# Altium PCB old PT1000_16CH.PCBDOC (part 1 of 5) (continued)
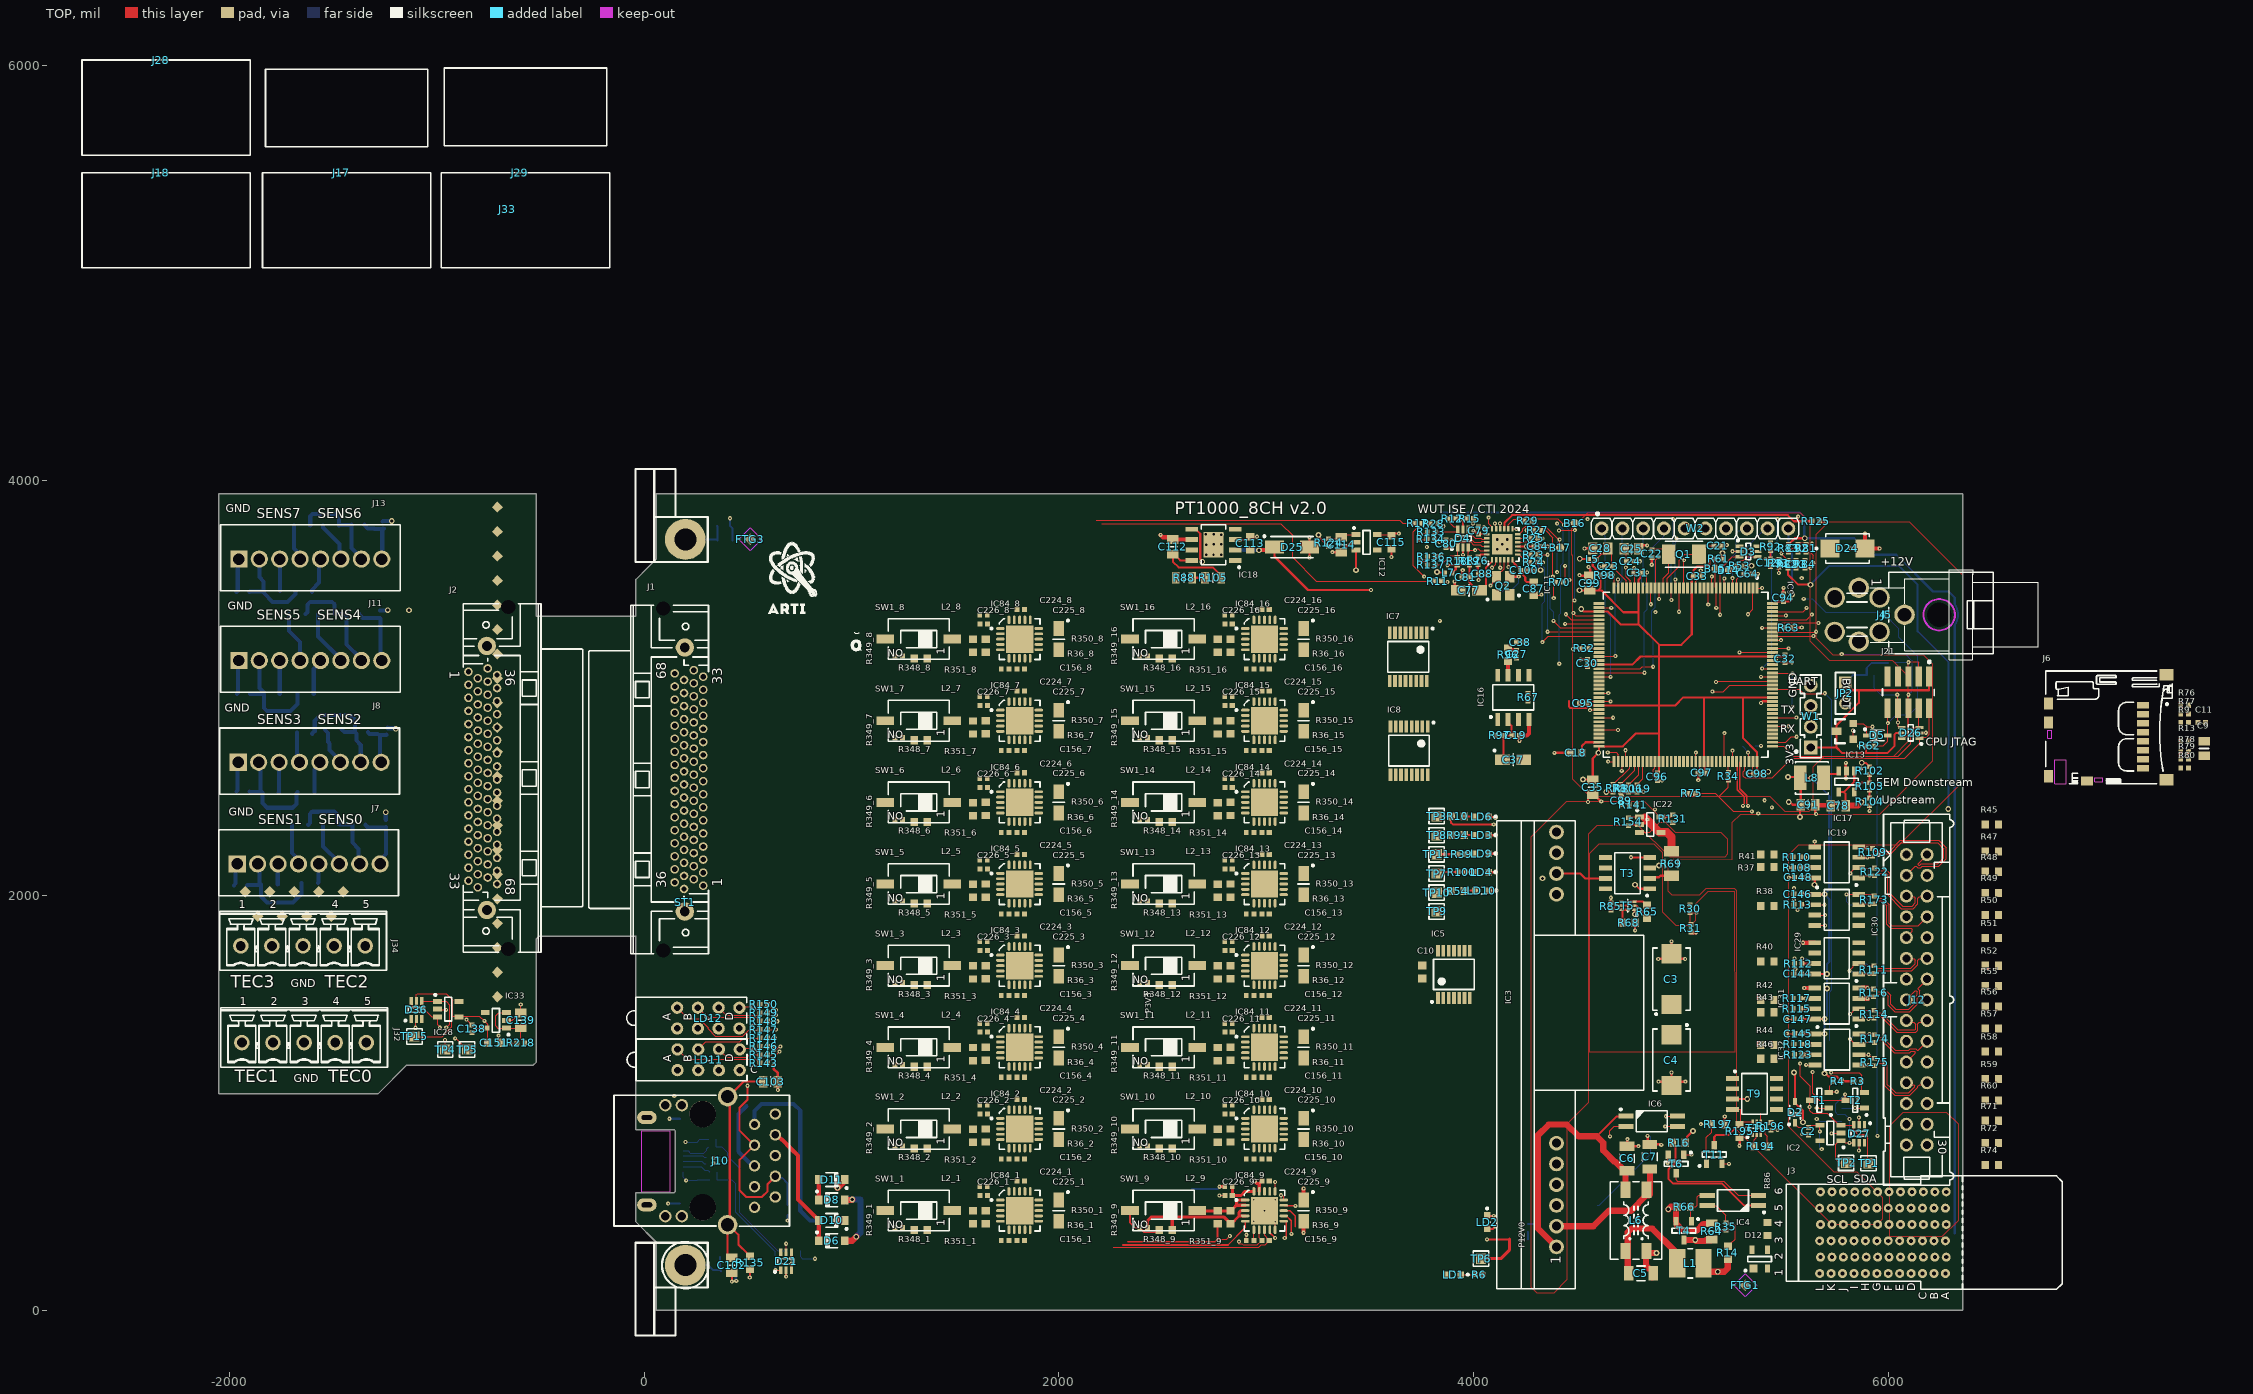
[diagram p0: TOP view]
## Design rules (kind name [scope] priority, off if disabled: settings) (continued)
SupplyNets "Schematic Supply Nets_1" [InNet('P3V3_AFE')] p12: voltage=0.000
SupplyNets "Schematic Supply Nets" [InNet('P5V0A')] p13: voltage=0.000
ViasUnderSMD ViasUnderSMD_QFN [HasFootprint('TSSOP28-EP')  or InComponent('IC11') or InComponent('IC18')  or InComponent('IC15') or InComponent('S1') or InComponent('S2') or InComponent('S3') or InComponent('S4')] p1: allowed=TRUE
ViasUnderSMD [All] p2: allowed=FALSE
Width Width_HPOW [InNetClass('HPOW')] p1: maxlimit=157.48 minlimit=10 preferedwidth=19.68
Width [All] p2: maxlimit=50 minlimit=5 preferedwidth=5
18 further rules are at their usual default settings.

## Classes and differential pairs
net class PWR: P12V0
component class RTD_15: C156_16 C224_16 C225_16 C226_16 IC84_16 L2_16 R36_16 R348_16 R349_16 R350_16 R351_16 SW1_16
component class RTD_14: C156_15 C224_15 C225_15 C226_15 IC84_15 L2_15 R36_15 R348_15 R349_15 R350_15 R351_15 SW1_15
component class RTD_13: C156_14 C224_14 C225_14 C226_14 IC84_14 L2_14 R36_14 R348_14 R349_14 R350_14 R351_14 SW1_14
component class RTD_12: C156_13 C224_13 C225_13 C226_13 IC84_13 L2_13 R36_13 R348_13 R349_13 R350_13 R351_13 SW1_13
component class RTD_11: C156_12 C224_12 C225_12 C226_12 IC84_12 L2_12 R36_12 R348_12 R349_12 R350_12 R351_12 SW1_12
component class RTD_10: C156_11 C224_11 C225_11 C226_11 IC84_11 L2_11 R36_11 R348_11 R349_11 R350_11 R351_11 SW1_11
component class RTD_09: C156_10 C224_10 C225_10 C226_10 IC84_10 L2_10 R36_10 R348_10 R349_10 R350_10 R351_10 SW1_10
component class RTD_08: C156_9 C224_9 C225_9 C226_9 IC84_9 L2_9 R36_9 R348_9 R349_9 R350_9 R351_9 SW1_9
component class RTD_07: C156_8 C224_8 C225_8 C226_8 IC84_8 L2_8 R36_8 R348_8 R349_8 R350_8 R351_8 SW1_8
component class RTD_06: C156_7 C224_7 C225_7 C226_7 IC84_7 L2_7 R36_7 R348_7 R349_7 R350_7 R351_7 SW1_7
component class RTD_05: C156_6 C224_6 C225_6 C226_6 IC84_6 L2_6 R36_6 R348_6 R349_6 R350_6 R351_6 SW1_6
component class RTD_04: C156_5 C224_5 C225_5 C226_5 IC84_5 L2_5 R36_5 R348_5 R349_5 R350_5 R351_5 SW1_5
channel class RTD: RTD_00 RTD_01 RTD_02 RTD_03 RTD_04 RTD_05 RTD_06 RTD_07 RTD_08 RTD_09 RTD_10 RTD_11 RTD_12 RTD_13 RTD_14 RTD_15
component class RTD_03: C156_4 C224_4 C225_4 C226_4 IC84_4 L2_4 R36_4 R348_4 R349_4 R350_4 R351_4 SW1_4
component class RTD_02: C156_3 C224_3 C225_3 C226_3 IC84_3 L2_3 R36_3 R348_3 R349_3 R350_3 R351_3 SW1_3
component class RTD_01: C156_2 C224_2 C225_2 C226_2 IC84_2 L2_2 R36_2 R348_2 R349_2 R350_2 R351_2 SW1_2
component class RTD_00: C156_1 C224_1 C225_1 C226_1 IC84_1 L2_1 R36_1 R348_1 R349_1 R350_1 R351_1 SW1_1
net class HPOW: NetC5_1 NetC5_2 NetC6_2 NetC7_2 P3V3 P12V0 P12V0_IN P12V0_POE POE_VC+ POE_VC-
component class U_Breakout: C128 C129 C130 C131 C138 C139 C151 D36 IC28 IC33 J2 J7 J8 J11 J13 J17 J18 J28 J29 J31 J32 J33 J34 L10 L11 L12 L13 R155 R156 R157 R158 R159 R160 R161 R162 R163 R164 R165 R166 R167 R168 R169 R170 R171 R172 R176 R177 R178 R179 R180 R181 R218 TP4 TP5 TP15
component class EEM_connector: C10 C144 C145 C146 C147 C148 D12 D27 IC5 IC19 IC23 IC29 IC30 IC31 IC32 IC36 IC39 IC40 IC41 J3 J12 R45 R47 R48 R49 R50 R51 R52 R55 R56 R57 R58 R59 R60 R71 R72 R74 R86 R108 R109 R110 R111 R112 R113 R114 R115 R116 R117 R118 R122 R123 R173 R174 R175 R194 R195 R196 R197 T9 T10 T11
component class Thermostat_16CH: C1 C2 C160 C161 D3 FTG1 FTG2 FTG3 FTG4 IC1 IC2 IC7 IC8 J1 LD1 R1 R2 R3 R4 R5 R6 R37 R38 R40 R41 R42 R43 R44 R46 R220 R223 SCREW5 SCREW6 SCREW7 SCREW8 ST1 Standoff1 Standoff2 Standoff4 T1 T2 TP1 TP2 TP3
net class HV: NetC5_1 NetC5_2 NetC6_2 NetC7_2 NetIC3_3 NetIC4_3 NetIC4_4 POE_IN1 POE_IN2 POE_IN3 POE_IN4 POE_VC+ POE_VC-
component class USB: C108 C109 D21 FB1 FB2 J9 L9 R73 R75
component class U_STM32_F4CPU: B14 B15 C9 C11 C17 C18 C21 C22 C23 C24 C25 C28 C29 C30 C31 C32 C33 C35 C64 C92 C93 C94 C95 C96 C97 C98 C99 C126 D5 D26 IC9 IC13 J6 J21 JP2 L5 LD11 LD12 Q1 R7 R8 R9 R13 R32 R33 R34 R53 R61 R62 R63 R70 R76 R77 R78 R79 R80 R81 R82 R83 R84 R92 R93 R106 R119 R143 R144 R145 R146 R147 R148 R149 R150 W1 W2
component class RMII_Ethernet: B16 B17 C36 C65 C77 C79 C80 C81 C84 C85 C87 C88 C100 C102 C103 D4 D6 D7 D8 D9 D10 D11 D22 D23 IC11 J10 L7 Q2 R11 R12 R15 R17 R18 R19 R20 R21 R22 R23 R24 R25 R26 R27 R28 R29 R98 R99 R125 R133 R134 R135 R136 R137
component class U_Thermostat_Supply: C3 C4 C5 C6 C7 C19 C27 C37 C38 C78 C89 C91 C112 C113 C114 C115 D2 D24 D25 IC3 IC4 IC6 IC12 IC16 IC17 IC18 IC22 J4 J5 L1 L6 L8 LD2 LD3 LD4 LD6 LD9 LD10 R10 R14 R16 R30 R31 R35 R39 R54 R64 R65 R66 R67 R68 R69 R85 R88 R90 R94 R96 R97 R100 R102 R103 R104 R105 R124 R131 R141 R154 T3 T4 T5 T6 TP6 TP7 TP8 TP9 TP10 TP11
differential pair LVDS7: +LVDS7_P -LVDS7_N
differential pair LVDS6: +LVDS6_P -LVDS6_N
differential pair LVDS5: +LVDS5_P -LVDS5_N
differential pair LVDS4: +LVDS4_P -LVDS4_N
differential pair LVDS3: +LVDS3_P -LVDS3_N
differential pair LVDS2: +LVDS2_P -LVDS2_N
differential pair LVDS1: +LVDS1_P -LVDS1_N
differential pair LVDS0: +LVDS0_P -LVDS0_N
differential pair BP_IO.LVDS7: +BP_IO.LVDS_P7 -BP_IO.LVDS_N7
differential pair BP_IO.LVDS6: +BP_IO.LVDS_P6 -BP_IO.LVDS_N6
differential pair BP_IO.LVDS5: +BP_IO.LVDS_P5 -BP_IO.LVDS_N5
differential pair BP_IO.LVDS4: +BP_IO.LVDS_P4 -BP_IO.LVDS_N4
differential pair BP_IO.LVDS3: +BP_IO.LVDS_P3 -BP_IO.LVDS_N3
differential pair BP_IO.LVDS2: +BP_IO.LVDS_P2 -BP_IO.LVDS_N2
differential pair TD: +TD_P -TD_N
differential pair RD: +RD_P -RD_N
differential pair USB: +USB_P -USB_N
differential pair USBJ: +USBJ_P -USBJ_N
differential pair PHY_TD: +PHY_TD_P -PHY_TD_N
differential pair PHY_RD: +PHY_RD_P -PHY_RD_N

## Components (designator, comment, footprint, x,y, rotation, side; value= is the part's Value field where it differs from the comment)
B14 "SMD Pad" C100 5230.93,3568.29 r90 top
B15 "SMD Pad" C100 5166.61,3576.24 r90 top
B16 "SMD Pad" C100 4487.75,3795.81 r0 top
B17 "SMD Pad" C100 4418,3677 r0 top
C1 "100nF" CAPC1005X55N 3759.26,3082.42 r90 bottom
C2 "100nF" CAPC1005X55N 5615.89,863.87 r90 top
C3 "220uF" CAPMP7343X430N 4954.72,1596.79 r90 top
C4 "220uF" CAPMP7343X430N 4954.72,1206.37 r270 top
C5 "4.7nF" CAPC3216X140N 4807.15,178 r180 top
C6 "4.7nF" CAPC3216X140N 4740.16,732.28 r270 top
C7 "4.7nF" CAPC3216X140N 4850.39,740.16 r270 top
C9 "22uF" CAPC2012X135N 7523.62,2708.66 r90 top
C10 "100nF" CAPC1608X87N 3752.95,1630.95 r90 top
C11 "100nF" CAPC1005X55N 7511.81,2834.65 r0 top
C17 "2.2uF" CAPC1608X90N 5325.56,2721.2 r180 bottom
C18 "2.2uF" CAPC1608X90N 4492.61,2687.74 r0 top
C19 "100nF" CAPC1005X55N 4203.74,2771.65 r0 top
C21 "12pF" CAPC1005X55N 5176.57,3686.21 r0 top
C22 "12pF" CAPC1005X55N 4859.66,3647.91 r270 top
C23 "10nF" CAPC1005X55N 4649.48,3586.61 r180 top
C24 "10nF" CAPC1005X55N 4756.13,3611.49 r0 top
C25 "1uF" CAPC2012X110N 4761.85,3671.71 r180 top
C27 "10nF" CAPC1005X55N 4207.68,3163.39 r270 top
C28 "1uF" CAPC2012X110N 4611.1,3673.27 r0 top
C29 "100nF" CAPC1005X55N 6015.47,3121.94 r0 bottom
C30 "100nF" CAPC1005X55N 4549.32,3120.81 r90 top
C31 "100nF" CAPC1005X55N 4792.43,3555.12 r180 top
C32 "100nF" CAPC1005X55N 5503.06,3142.46 r270 top
C33 "100nF" CAPC1005X55N 5078.16,3539.83 r0 top
C35 "10uF" CAPC2012X135N 4575.09,2521.65 r270 top
C36 "18pF" CAPC1005X55N 4138.57,3532.48 r180 bottom
C37 "10uF" CAPMP3216X180N 4190.94,2654.53 r0 top
C38 "100nF" CAPC1005X55N 4224.4,3221.74 r180 top
C64 "100nF" CAPC1005X55N 5322.94,3550.68 r0 top
C65 "18pF" CAPC1005X55N 4157.06,3464.78 r180 bottom
C77 "10uF" CAPMP3216X180N 3978.14,3471.46 r180 top
C78 "10uF" CAPC2012X135N 5758.72,2433.2 r0 top
C79 "100nF" CAPC1005X55N 4024.4,3759.81 r90 top
C80 "100nF" CAPC1005X55N 3868.17,3695.79 r270 top
C81 "100nF" CAPC1005X55N 3962.39,3535.43 r0 top
C84 "100nF" CAPC1005X55N 4308.65,3683.07 r180 top
C85 "100nF" CAPC1005X55N 692.02,477.23 r90 bottom
C87 "1uF" CAPC1608X87N 4290.15,3479.33 r90 top
C88 "100nF" CAPC1005X55N 4042.11,3550.2 r0 top
C89 "10nF" CAPC1005X55N 4713,2456.51 r90 top
C91 "10uF" CAPC2012X135N 5613.47,2437.49 r0 top
C92 "100nF" CAPC1005X55N 5565.52,3674.57 r90 top
C93 "100nF" CAPC1005X55N 5555.78,3597.18 r270 top
C94 "100nF" CAPC1005X55N 5494.21,3435.77 r90 top
C95 "100nF" CAPC1005X55N 4528.81,2926.81 r180 top
C96 "100nF" CAPC1005X55N 4886.24,2573.17 r270 top
C97 "100nF" CAPC1005X55N 5101.49,2591.28 r180 top
C98 "100nF" CAPC1005X55N 5367.24,2586.94 r180 top
C99 "10uF" CAPC2012X135N 4560.15,3506.63 r90 top
C100 "1nF" CAPC1005X55N 4245.85,3567.91 r180 top
C102 "Undefined" CAPC2012X135N 423.4,217 r270 top
C103 "Undefined" CAPC2012X135N 610.24,1102.36 r0 top
C108 "100nF" CAPC1005X55N 334.06,628.94 r0 bottom
C109 "100nF" CAPC1005X55N 329.63,825 r0 bottom
C112 "10uF" CAPC2012X135N 2549.21,3681.1 r90 top
C113 "1uF" CAPC1608X87N 2923.23,3698.22 r270 top
C114 "10uF" CAPC2012X135N 3362.44,3691.27 r270 top
C115 "1uF" CAPC1608X87N 3604.43,3703.08 r90 top
C126 "100nF" CAPC1005X55N 5433.07,3604.33 r270 top
C128 "100nF" CAPC1005X55N -1245,2347 r270 bottom
C129 "100nF" CAPC1005X55N -1236,2791 r270 bottom
C130 "100nF" CAPC1005X55N -1273,3356 r270 bottom
C131 "100nF" CAPC1005X55N -1260,3786 r270 bottom
C138 "100nF" CAPC1005X55N -830.55,1357.28 r270 top
C139 "10uF" CAPC2012X135N -594.33,1397.64 r90 top
C144 "100nF" CAPC1005X55N 5563.45,1621.79 r0 top
C145 "100nF" CAPC1005X55N 5566.75,1333.65 r0 top
C146 "100nF" CAPC1005X55N 5563.46,2006.6 r0 top
C147 "100nF" CAPC1005X55N 5563.46,1403.79 r0 top
C148 "100nF" CAPC1005X55N 5565.42,2087.61 r0 top
C151 "1uF" CAPC1608X87N -722.28,1289.37 r180 top
C156_1 "100nF" CAPC1005X55N 1816.14,335.83 r0 top (schematic designator C156)
C156_2 "100nF" CAPC1005X55N 1816.14,729.53 r0 top (schematic designator C156)
C156_3 "100nF" CAPC1005X55N 1816.14,1516.93 r0 top (schematic designator C156)
C156_4 "100nF" CAPC1005X55N 1816.14,1123.23 r0 top (schematic designator C156)
C156_5 "100nF" CAPC1005X55N 1816.14,1910.63 r0 top (schematic designator C156)
C156_6 "100nF" CAPC1005X55N 1816.14,2304.33 r0 top (schematic designator C156)
C156_7 "100nF" CAPC1005X55N 1816.14,2698.03 r0 top (schematic designator C156)
C156_8 "100nF" CAPC1005X55N 1816.14,3091.73 r0 top (schematic designator C156)
C156_9 "100nF" CAPC1005X55N 2997.24,335.83 r0 top (schematic designator C156)
C156_10 "100nF" CAPC1005X55N 2997.24,729.53 r0 top (schematic designator C156)
C156_11 "100nF" CAPC1005X55N 2997.24,1123.23 r0 top (schematic designator C156)
C156_12 "100nF" CAPC1005X55N 2997.24,1516.93 r0 top (schematic designator C156)
C156_13 "100nF" CAPC1005X55N 2997.24,1910.63 r0 top (schematic designator C156)
C156_14 "100nF" CAPC1005X55N 2997.24,2304.33 r0 top (schematic designator C156)
C156_15 "100nF" CAPC1005X55N 2997.24,2698.03 r0 top (schematic designator C156)
C156_16 "100nF" CAPC1005X55N 2997.24,3091.73 r0 top (schematic designator C156)
C160 "Undefined" CAPC2012X135N 390.75,3713.06 r0 bottom
C161 "Undefined" CAPC2012X135N 407.06,187.01 r0 bottom
C224_1 "100nF" CAPC1005X55N 1816.14,623.23 r0 top (schematic designator C224)
C224_2 "100nF" CAPC1005X55N 1816.14,1016.93 r0 top (schematic designator C224)
C224_3 "100nF" CAPC1005X55N 1816.14,1804.33 r0 top (schematic designator C224)
C224_4 "100nF" CAPC1005X55N 1816.14,1410.63 r0 top (schematic designator C224)
C224_5 "100nF" CAPC1005X55N 1816.14,2198.03 r0 top (schematic designator C224)
C224_6 "100nF" CAPC1005X55N 1816.14,2591.73 r0 top (schematic designator C224)
C224_7 "100nF" CAPC1005X55N 1816.14,2985.43 r0 top (schematic designator C224)
C224_8 "100nF" CAPC1005X55N 1816.14,3379.13 r0 top (schematic designator C224)
C224_9 "100nF" CAPC1005X55N 2997.24,623.23 r0 top (schematic designator C224)
C224_10 "100nF" CAPC1005X55N 2997.24,1016.93 r0 top (schematic designator C224)
C224_11 "100nF" CAPC1005X55N 2997.24,1410.63 r0 top (schematic designator C224)
C224_12 "100nF" CAPC1005X55N 2997.24,1804.33 r0 top (schematic designator C224)
C224_13 "100nF" CAPC1005X55N 2997.24,2198.03 r0 top (schematic designator C224)
C224_14 "100nF" CAPC1005X55N 2997.24,2591.73 r0 top (schematic designator C224)
C224_15 "100nF" CAPC1005X55N 2997.24,2985.43 r0 top (schematic designator C224)
C224_16 "100nF" CAPC1005X55N 2997.24,3379.13 r0 top (schematic designator C224)
C225_1 "10uF" CAPMP3216X180N 2000,480.31 r270 top (schematic designator C225)
C225_2 "10uF" CAPMP3216X180N 2000,874.02 r270 top (schematic designator C225)
C225_3 "10uF" CAPMP3216X180N 2000,1661.42 r270 top (schematic designator C225)
C225_4 "10uF" CAPMP3216X180N 2000,1267.72 r270 top (schematic designator C225)
C225_5 "10uF" CAPMP3216X180N 2000,2055.12 r270 top (schematic designator C225)
C225_6 "10uF" CAPMP3216X180N 2000,2448.82 r270 top (schematic designator C225)
C225_7 "10uF" CAPMP3216X180N 2000,2842.52 r270 top (schematic designator C225)
C225_8 "10uF" CAPMP3216X180N 2000,3236.22 r270 top (schematic designator C225)
C225_9 "10uF" CAPMP3216X180N 3181.1,480.31 r270 top (schematic designator C225)
C225_10 "10uF" CAPMP3216X180N 3181.1,874.02 r270 top (schematic designator C225)
C225_11 "10uF" CAPMP3216X180N 3181.1,1267.72 r270 top (schematic designator C225)
C225_12 "10uF" CAPMP3216X180N 3181.1,1661.42 r270 top (schematic designator C225)
C225_13 "10uF" CAPMP3216X180N 3181.1,2055.12 r270 top (schematic designator C225)
C225_14 "10uF" CAPMP3216X180N 3181.1,2448.82 r270 top (schematic designator C225)
C225_15 "10uF" CAPMP3216X180N 3181.1,2842.52 r270 top (schematic designator C225)
C225_16 "10uF" CAPMP3216X180N 3181.1,3236.22 r270 top (schematic designator C225)
C226_1 "100nF" CAPC1005X55N 1637.8,553.15 r0 top (schematic designator C226)
C226_2 "100nF" CAPC1005X55N 1637.8,946.85 r0 top (schematic designator C226)
C226_3 "100nF" CAPC1005X55N 1637.8,1734.25 r0 top (schematic designator C226)
C226_4 "100nF" CAPC1005X55N 1637.8,1340.55 r0 top (schematic designator C226)
C226_5 "100nF" CAPC1005X55N 1637.8,2127.95 r0 top (schematic designator C226)
C226_6 "100nF" CAPC1005X55N 1637.8,2521.65 r0 top (schematic designator C226)
C226_7 "100nF" CAPC1005X55N 1637.8,2915.36 r0 top (schematic designator C226)
C226_8 "100nF" CAPC1005X55N 1637.8,3309.06 r0 top (schematic designator C226)
C226_9 "100nF" CAPC1005X55N 2818.9,553.15 r0 top (schematic designator C226)
C226_10 "100nF" CAPC1005X55N 2818.9,946.85 r0 top (schematic designator C226)
C226_11 "100nF" CAPC1005X55N 2818.9,1340.55 r0 top (schematic designator C226)
C226_12 "100nF" CAPC1005X55N 2818.9,1734.25 r0 top (schematic designator C226)
C226_13 "100nF" CAPC1005X55N 2818.9,2127.95 r0 top (schematic designator C226)
C226_14 "100nF" CAPC1005X55N 2818.9,2521.65 r0 top (schematic designator C226)
C226_15 "100nF" CAPC1005X55N 2818.9,2915.36 r0 top (schematic designator C226)
C226_16 "100nF" CAPC1005X55N 2818.9,3309.06 r0 top (schematic designator C226)
D2 "BAT165" SOD2512X110N 5551.18,955.31 r90 top
D3 "DRTR5V0U4S-7" SOT65P210X110-6N 5325.79,3658.46 r0 top
D4 "DRTR5V0U4S-7" SOT65P210X110-6N 3949.2,3721.65 r90 top
D5 "BAT165" SOD2512X110N 5947.11,2771.89 r0 top
D6 "PMEG6020ER" SODFL3517X110N 905.51,334.65 r0 top
D7 "PMEG6020ER" SODFL3517X110N 905.51,629.92 r180 bottom
D8 "PMEG6020ER" SODFL3517X110N 905.51,531.5 r0 top
D9 "PMEG6020ER" SODFL3517X110N 905.51,334.65 r0 bottom
D10 "PMEG6020ER" SODFL3517X110N 905.51,433.07 r180 top
D11 "PMEG6020ER" SODFL3517X110N 905.51,629.92 r180 top
D12 "PRTR5V0U2X" SOT190P230X110-4N 5379.88,246.06 r90 top
D21 "DRTR5V0U4S-7" SOT65P210X110-6N 685.04,236.22 r90 top
D22 "PMEG6020ER" SODFL3517X110N 905.51,433.07 r180 bottom
D23 "PMEG6020ER" SODFL3517X110N 905.51,531.5 r0 bottom
D24 "SMBJ15A" DIOM5336X265N 5803.15,3673.23 r0 top
D25 "1SMA5920BT3G" DIOM5226X220N 3125,3680.11 r0 top
D26 "DRTR5V0U4S-7" SOT65P210X110-6N 6107.89,2783.99 r180 top
D27 "DRTR5V0U4S-7" SOT65P210X110-6N 5859.72,850.48 r270 top
D36 "DRTR5V0U4S-7" SOT65P210X110-6N -1097.28,1447.83 r90 top
FB1 "220R@100MHz" INDC1005X55N 330.61,787.6 r180 bottom
FB2 "220R@100MHz" INDC1005X55N 334.06,666.34 r180 bottom
FTG1 "Use only in PCB" FIDUCIAL_TOP_S100-200 5310,120 r90 top
FTG2 "Use only in PCB" FIDUCIAL_TOP_S100-200 513,3720.39 r0 bottom
FTG3 "Use only in PCB" FIDUCIAL_TOP_S100-200 513,3717 r90 top
FTG4 "Use only in PCB" FIDUCIAL_TOP_S100-200 5310,120 r90 bottom
IC1 "LM75AIMM/NOPB" SOP65P490X109-8N 3920.58,3054.86 r180 bottom
IC2 "24AA02E48T-I/OT" SOT95P280X145-5N 5721.2,854.42 r180 top
IC3 "AG5300" SILVERTEL_AG5300 4400,1305.48 r90 top locked
IC4 "ACPL-217-500E" SOIC127P700X242-4N 5251.15,529 r180 top
IC5 "74HC4066PW" SOP65P640X110-14N 3905.53,1619.07 r90 top
IC6 "ACPL-217-500E" SOIC127P700X242-4N 4859.55,911.48 r0 top
IC7 "74HC138PW" SOP65P640X110-16N 3685.04,3150.73 r270 top
IC8 "74HC138PW" SOP65P640X110-16N 3688.98,2698.03 r270 top
IC9 "STM32H743ZIT6" FP-LQFP144-1A-MFG 5022.75,3063.72 r270 top
IC11 "LAN8742A-CZ-TR" QFN24_0R5_4X4 4138.57,3692.91 r90 top
IC12 "ADP150AUJZ-3.3-R7" SOT95P280X90-5N 3484.49,3703.08 r0 top
IC13 "STM809SWX6F" SOT-23 5830.26,2754.16 r90 top
IC16 "ADR433BRZ" SOIC127P600X175-8N 4191.8,2955.16 r90 top
IC17 "TLV62565DBVT" SOT95P280X145-5N 5798.69,2549.37 r270 top
IC18 "ADP7102ARDZ-5.0-R7" SOIC127P600X175-9N-R241X309 2746.06,3690.94 r180 top
IC19 "FIN1028MX" SOIC127P600X175-8N 5751.72,2159.29 r180 top
IC22 "LT6106CS5#TRMPBF" SOT95P280X145-5N 4852.36,2341.76 r0 top
IC23 "FIN1027AMX" SOIC127P600X175-8N 5751.72,2159.29 r0 bottom
IC28 "24AA02E48T-I/OT" SOT95P280X145-5N -943.74,1451.77 r0 top
IC29 "FIN1028MX" SOIC127P600X175-8N 5751.71,1696.79 r180 top
IC30 "FIN1027AMX" SOIC127P600X175-8N 5751.71,1930.38 r0 top
IC31 "FIN1028MX" SOIC127P600X175-8N 5751.71,1478.79 r180 top
IC32 "FIN1027AMX" SOIC127P600X175-8N 5752.95,1256.89 r0 top
IC33 "ADP150AUJZ-3.3-R7" SOT95P280X90-5N -714.41,1397.64 r180 top
IC36 "FIN1027AMX" SOIC127P600X175-8N 5751.71,1696.79 r0 bottom
IC39 "FIN1028MX" SOIC127P600X175-8N 5751.72,1930.37 r180 bottom
IC40 "FIN1027AMX" SOIC127P600X175-8N 5751.71,1478.79 r0 bottom
IC41 "FIN1028MX" SOIC127P600X175-8N 5752.95,1256.89 r180 bottom
IC84_1 "MAX31865ATP+" QFN65P500X500X80-21N-S335 1811.02,480.31 r0 top (schematic designator IC84)
IC84_2 "MAX31865ATP+" QFN65P500X500X80-21N-S335 1811.02,874.02 r0 top (schematic designator IC84)
IC84_3 "MAX31865ATP+" QFN65P500X500X80-21N-S335 1811.02,1661.42 r0 top (schematic designator IC84)
IC84_4 "MAX31865ATP+" QFN65P500X500X80-21N-S335 1811.02,1267.72 r0 top (schematic designator IC84)
IC84_5 "MAX31865ATP+" QFN65P500X500X80-21N-S335 1811.02,2055.12 r0 top (schematic designator IC84)
IC84_6 "MAX31865ATP+" QFN65P500X500X80-21N-S335 1811.02,2448.82 r0 top (schematic designator IC84)
IC84_7 "MAX31865ATP+" QFN65P500X500X80-21N-S335 1811.02,2842.52 r0 top (schematic designator IC84)
IC84_8 "MAX31865ATP+" QFN65P500X500X80-21N-S335 1811.02,3236.22 r0 top (schematic designator IC84)
IC84_9 "MAX31865ATP+" QFN65P500X500X80-21N-S335 2992.13,480.31 r0 top locked (schematic designator IC84)
IC84_10 "MAX31865ATP+" QFN65P500X500X80-21N-S335 2992.13,874.02 r0 top (schematic designator IC84)
IC84_11 "MAX31865ATP+" QFN65P500X500X80-21N-S335 2992.13,1267.72 r0 top (schematic designator IC84)
IC84_12 "MAX31865ATP+" QFN65P500X500X80-21N-S335 2992.13,1661.42 r0 top (schematic designator IC84)
IC84_13 "MAX31865ATP+" QFN65P500X500X80-21N-S335 2992.13,2055.12 r0 top (schematic designator IC84)
IC84_14 "MAX31865ATP+" QFN65P500X500X80-21N-S335 2992.13,2448.82 r0 top (schematic designator IC84)
IC84_15 "MAX31865ATP+" QFN65P500X500X80-21N-S335 2992.13,2842.52 r0 top (schematic designator IC84)
IC84_16 "MAX31865ATP+" QFN65P500X500X80-21N-S335 2992.13,3236.22 r0 top (schematic designator IC84)
J1 "DNP" MOLEX_71430-0013 216.54,2559.06 r90 top
J2 "DNP" MOLEX_71430-0013 -777.56,2566.73 r270 top
J3 "P1" AMPHENOL_10052825-101LF 5974.41,374.02 r90 top
J4 "Jack" SWITCHCRAFT_L712RA 5858.15,3223.81 r180 top
J5 "Mini-Fit Jr.™" MOLEX_39-30-0040 5850.03,3353.73 r270 top
J6 "microSD" MOLEX_502570-0893 7228.35,2765.75 r270 top
J7 "691382000008" 691382000008 -1617.06,2157.96 r0 top
J8 "691382000008" 691382000008 -1612.11,2648.15 r0 top
J9 "USB" UJ2-MIBH-4-MSMT 3.94,718.5 r270 bottom
J10 "RJ45" ABRACON_ARJM11C7-114-BA-EW2 283.04,720.87 r270 top locked
J11 "691382000008" 691382000008 -1609.16,3139.06 r0 top
J12 "" 3M_N2530-6002RB 6137.18,1496.79 r270 top locked
J13 "691382000008" 691382000008 -1609.11,3628.09 r0 top
J17 "691381000008" WURTH_691381000008 -1460.63,5484.25 r270 top
J18 "691381000008" WURTH_691381000008 -2330.71,5484.25 r270 top
J21 "Header 10" HARWIN_M50-3600542 6097,2979 r180 top
J28 "691381000008" WURTH_691381000008 -2330.71,6027.56 r270 top
J29 "691381000008" WURTH_691381000008 -598.43,5484.25 r270 top
J31 "" PHOENIX_1803604 -1346.56,6292.29 r270 top
J32 "" PHOENIX_1803455 -1639.24,1290.55 r0 top
J33 "" PHOENIX_1803604 -659.35,5308.04 r90 top
J34 "" PHOENIX_1803455 -1644.43,1756.67 r0 top
JP2 "1798942 (goldpin 2x 2.54)" jump 5792.58,3026.02 r0 top
L1 "10uH" IND_MURATA-PS_8400 5046.15,226 r180 top
L2_1 "220R@100MHz" INDC1005X55N 1637.19,596.37 r180 top (schematic designator L2)
L2_2 "220R@100MHz" INDC1005X55N 1637.19,990.07 r180 top (schematic designator L2)
L2_3 "220R@100MHz" INDC1005X55N 1637.19,1777.47 r180 top (schematic designator L2)
L2_4 "220R@100MHz" INDC1005X55N 1637.19,1383.77 r180 top (schematic designator L2)
L2_5 "220R@100MHz" INDC1005X55N 1637.19,2171.17 r180 top (schematic designator L2)
L2_6 "220R@100MHz" INDC1005X55N 1637.19,2564.87 r180 top (schematic designator L2)
L2_7 "220R@100MHz" INDC1005X55N 1637.19,2958.58 r180 top (schematic designator L2)
L2_8 "220R@100MHz" INDC1005X55N 1637.19,3352.28 r180 top (schematic designator L2)
L2_9 "220R@100MHz" INDC1005X55N 2818.29,596.37 r180 top (schematic designator L2)
L2_10 "220R@100MHz" INDC1005X55N 2818.29,990.07 r180 top (schematic designator L2)
L2_11 "220R@100MHz" INDC1005X55N 2818.29,1383.77 r180 top (schematic designator L2)
L2_12 "220R@100MHz" INDC1005X55N 2818.29,1777.47 r180 top (schematic designator L2)
L2_13 "220R@100MHz" INDC1005X55N 2818.29,2171.17 r180 top (schematic designator L2)
L2_14 "220R@100MHz" INDC1005X55N 2818.29,2564.87 r180 top (schematic designator L2)
L2_15 "220R@100MHz" INDC1005X55N 2818.29,2958.58 r180 top (schematic designator L2)
L2_16 "220R@100MHz" INDC1005X55N 2818.29,3352.28 r180 top (schematic designator L2)
L5 "220R@100MHz" INDC1005X55N 4572.94,3620.12 r180 top
L6 "2x1mH" IND_WURTH_WE-SL2 4783.46,433.07 r90 top
L7 "220R@100MHz" INDC1005X55N 3879.16,3555.12 r180 top
L8 "2.2uH" IND_MURATA_LQH44PN_P0 5631.32,2566.9 r180 top
L9 "90R@100MHz" IND_MURATA_DLW21S 333.66,721.35 r0 bottom
L10 "220R@100MHz" INDC1005X55N -1288,2345 r90 bottom
L11 "220R@100MHz" INDC1005X55N -1275,2790 r90 bottom
L12 "220R@100MHz" INDC1005X55N -1309,3356 r90 bottom
L13 "220R@100MHz" INDC1005X55N -1300,3786 r90 bottom
LD1 "Red" LED_KINGBRIGHT_KPH-1608SURCK 3905.23,171.4 r180 top
LD2 "Green" LED_KINGBRIGHT_KPH-1608CGCK 4065.82,424.32 r270 top
LD3 "Green" LED_KINGBRIGHT_KPH-1608CGCK 4039.9,2291.23 r180 top
LD4 "Green" LED_KINGBRIGHT_KPH-1608CGCK 4039.9,2112.43 r180 top
LD6 "Green" LED_KINGBRIGHT_KPH-1608CGCK 4039.9,2380.63 r180 top
LD9 "Green" LED_KINGBRIGHT_KPH-1608CGCK 4039.9,2201.83 r180 top
LD10 "Green" LED_KINGBRIGHT_KPH-1608CGCK 4039.9,2023.03 r180 top
LD11 "Green/Green/HeRed/HeRed" LED_BIVAR_H485CHHGGDL 311.39,1207.72 r0 top
LD12 "Green/Green/HeRed/HeRed" LED_BIVAR_H485CHHGGDL 309.84,1408.72 r0 top
Q1 "8MHz" XTAL_TXC_7A 5014.45,3645.05 r180 top
Q2 "25MHz" XTAL_EPSON_TSX-3225 4142.51,3494.09 r180 top
R1 "82k" RESC1608X55N 5704.47,943.51 r270 bottom
R2 "82k" RESC1608X55N 5776.32,943.5 r270 bottom
R3 "2k4" RESC1005X40N 5853.82,1103.94 r180 top
R4 "2k4" RESC1005X40N 5755.45,1103.94 r0 top
R5 "51k" RESC1005X40N 4093.81,3042.07 r180 bottom
R6 "1k" RESC1005X40N 4028.59,171.39 r0 top
R7 "2k2" RESC1005X40N 4673.23,2516.93 r270 top
R8 "2k2" RESC1005X40N 4708.66,2516.93 r270 top
R9 "10k" RESC1005X40N 7429.13,2834.65 r0 top
R10 "1k3" RESC1608X55N 3923.87,2380.93 r0 top
R11 "330" RESC1005X40N 3826.77,3515.75 r180 top
R12 "49R9" RESC1005X40N 3897.27,3817.34 r0 top
R13 "10k" RESC1005X40N 7429.13,2744.09 r0 top
R14 "82k" RESC1608X55N 5226.38,276.46 r270 top
R15 "49R9" RESC1005X40N 3981.72,3817 r180 top
R16 "220" RESC1608X55N 4989.51,807.17 r0 top
R17 "330" RESC1005X40N 3732.05,3794.24 r180 top
R18 "49R9" RESC1005X40N 3921.48,3611.22 r90 top
R19 "49R9" RESC1005X40N 3979.9,3611.22 r90 top
R20 "10k" RESC1005X40N 4290.38,3643.7 r180 bottom
R21 "10k" RESC1005X40N 4289.16,3605.32 r180 bottom
R22 "10k" RESC1005X40N 4307.67,3760.71 r180 bottom
R23 "33" RESC1005X40N 4290.38,3643.7 r180 top
R24 "33" RESC1005X40N 4290.15,3606.3 r180 top
R25 "10k" RESC1005X40N 4290.38,3722.44 r0 top
R26 "12k1" RESC1005X40N 4021.45,3613.19 r270 top
R27 "33" RESC1005X40N 4308.65,3760.71 r180 top
R28 "10k" RESC1005X40N 3809.36,3793.31 r0 top
R29 "33" RESC1005X40N 4261.74,3806.89 r180 top
R30 "33k" RESC1005X40N 5044.93,1935.55 r90 top
R31 "10k" RESC1005X40N 5048.57,1841.99 r90 top
R32 "10k" RESC1005X40N 4533.58,3191.67 r0 top
R33 "10k" RESC1005X40N 5914.63,3062.83 r180 bottom
R34 "10k" RESC1005X40N 5229.44,2574.74 r270 top
R35 "20k" RESC1005X40N 5216.54,403.54 r90 top
R36_1 "0" RESC1005X40N 1741.34,335.83 r0 top (schematic designator R36)
R36_2 "0" RESC1005X40N 1741.34,729.53 r0 top (schematic designator R36)
R36_3 "0" RESC1005X40N 1741.34,1516.93 r0 top (schematic designator R36)
R36_4 "0" RESC1005X40N 1741.34,1123.23 r0 top (schematic designator R36)
R36_5 "0" RESC1005X40N 1741.34,1910.63 r0 top (schematic designator R36)
R36_6 "0" RESC1005X40N 1741.34,2304.33 r0 top (schematic designator R36)
R36_7 "0" RESC1005X40N 1741.34,2698.03 r0 top (schematic designator R36)
R36_8 "0" RESC1005X40N 1741.34,3091.73 r0 top (schematic designator R36)
R36_9 "0" RESC1005X40N 2922.44,335.83 r0 top (schematic designator R36)
R36_10 "0" RESC1005X40N 2922.44,729.53 r0 top (schematic designator R36)
R36_11 "0" RESC1005X40N 2922.44,1123.23 r0 top (schematic designator R36)
R36_12 "0" RESC1005X40N 2922.44,1516.93 r0 top (schematic designator R36)
R36_13 "0" RESC1005X40N 2922.44,1910.63 r0 top (schematic designator R36)
R36_14 "0" RESC1005X40N 2922.44,2304.33 r0 top (schematic designator R36)
R36_15 "0" RESC1005X40N 2922.44,2698.03 r0 top (schematic designator R36)
R36_16 "0" RESC1005X40N 2922.44,3091.73 r0 top (schematic designator R36)
R37 "0" RESC1608X55N 5417.32,2137.8 r0 top
R38 "0" RESC1608X55N 5417.32,1948.82 r0 top
R39 "6k8" RESC1005X40N 3943.16,2198.64 r0 top
R40 "0" RESC1608X55N 5417.32,1681.1 r0 top
R41 "0" RESC1608X55N 5417.32,2196.85 r0 top
R42 "0" RESC1608X55N 5417.32,1496.06 r0 top
R43 "0" RESC1608X55N 5417.32,1437.01 r0 top
R44 "0" RESC1608X55N 5417.32,1279.53 r0 top
R45 "0" RESC1608X55N 6500,2342.52 r180 top
R46 "0" RESC1608X55N 5417.32,1212.6 r0 top
R47 "0" RESC1608X55N 6500,2212.6 r180 top
R48 "0" RESC1608X55N 6500,2114.17 r180 top
R49 "0" RESC1608X55N 6500,2011.81 r180 top
R50 "0" RESC1608X55N 6500,1905.51 r180 top
R51 "0" RESC1608X55N 6500,1795.28 r180 top
R52 "0" RESC1608X55N 6500,1661.42 r180 top
R53 "10k" RESC1005X40N 5284.15,3589.57 r0 top
R54 "1k3" RESC1608X55N 3923.87,2021.4 r0 top
R55 "0" RESC1608X55N 6500,1562.99 r180 top
R56 "0" RESC1608X55N 6500,1464.57 r180 top
R57 "0" RESC1608X55N 6500,1358.27 r180 top
R58 "0" RESC1608X55N 6500,1248.03 r180 top
R59 "0" RESC1608X55N 6500,1114.17 r180 top
R60 "0" RESC1608X55N 6500,1011.81 r180 top
R61 "10k" RESC1005X40N 5183.62,3622.6 r0 top
R62 "10k" RESC1005X40N 5911.67,2721.3 r0 top
R63 "10k" RESC1005X40N 5519.68,3291.34 r0 top
R64 "10" RESC2012X60N 5148.15,380 r270 top
R65 "1k3" RESC1608X55N 4837.22,1921.27 r90 top
R66 "82k" RESC1608X55N 5015.06,497.92 r0 top
R67 "10k" RESC1005X40N 4263.52,2955.45 r270 top
R68 "82k" RESC1608X55N 4748.02,1868.42 r180 top
R69 "0R005" RESC3216X80N 4954.72,2153.97 r90 top
R70 "33" RESC1005X40N 4415.37,3510.83 r180 top
R71 "0" RESC1608X55N 6500,913.39 r180 top
R72 "0" RESC1608X55N 6500,807.09 r180 top
R73 "24k" RESC1608X55N 723.43,286.42 r180 bottom
R74 "0" RESC1608X55N 6500,700.79 r180 top
R75 "10k" RESC1005X40N 5052.28,2491.88 r180 top
R76 "10k" RESC1005X40N 7429.13,2917.32 r0 top
R77 "10k" RESC1005X40N 7429.13,2874.02 r0 top
R78 "10k" RESC1005X40N 7429.13,2692.91 r0 top
R79 "10k" RESC1005X40N 7429.13,2657.48 r0 top
R80 "10k" RESC1005X40N 7429.13,2614.17 r0 top
R81 "1k6" RESC1005X40N 5604.13,3673.78 r90 top
R82 "10k" RESC1005X40N 5516.41,3597.18 r90 top
R83 "6k8" RESC1005X40N 5519.69,3674.57 r90 top
R84 "6k8" RESC1005X40N 5599.35,3597.97 r270 top
R85 "33k" RESC1005X40N 4662.02,1946.78 r270 top
R86 "200" RESC1608X55N 5417.32,391.73 r270 top
R88 "10" RESC2012X60N 2604,3532 r0 top
R90 "10k" RESC1005X40N 4262.8,396.65 r270 bottom
R92 "1k6" RESC1005X40N 5433.07,3681.1 r90 top
R93 "6k8" RESC1005X40N 5472.44,3602.36 r270 top
R94 "1k3" RESC1608X55N 3923.87,2291.53 r0 top
R96 "82k" RESC1608X55N 4166.34,3161.42 r90 top
R97 "33" RESC1005X40N 4125.98,2771.65 r0 top
R98 "1k5" RESC1005X40N 4631.76,3544.75 r0 top
R99 "10k" RESC1005X40N 4261.74,3820.67 r180 bottom
R100 "6k8" RESC1005X40N 3943.16,2112.29 r0 top
R102 "240k" RESC1005X40N 5910.44,2602.32 r90 top
R103 "51k" RESC1005X40N 5910.44,2525.64 r90 top
R104 "2k" RESC1005X40N 5910.44,2451.71 r90 top
R105 "10" RESC2012X60N 2744,3532 r0 top
R106 "2k2" RESC1005X40N 4748.03,2515.75 r270 top
R108 "100" RESC1005X40N 5562.11,2134.29 r0 top
R109 "100" RESC1005X40N 5924.98,2208.03 r90 top
R110 "100" RESC1005X40N 5559.47,2184.27 r0 top
R111 "100" RESC1005X40N 5930.97,1642.12 r90 top
R112 "100" RESC1005X40N 5565.96,1671.79 r0 top
R113 "100" RESC1005X40N 5563.45,1955.38 r0 top
R114 "100" RESC1005X40N 5931.76,1428.15 r90 top
R115 "100" RESC1005X40N 5559.86,1453.79 r0 top
R116 "100" RESC1005X40N 5929.14,1530 r90 top
R117 "100" RESC1005X40N 5559.86,1503.79 r0 top
R118 "100" RESC1005X40N 5563.78,1281.89 r0 top
R119 "2k2" RESC1005X40N 4787.4,2515.75 r270 top
R122 "100" RESC1005X40N 5934.69,2113.5 r90 top
R123 "100" RESC1005X40N 5565.96,1231.89 r0 top
R124 "33" RESC1005X40N 3300.75,3701.77 r90 top
R125 "10k" RESC1005X40N 5650.73,3804.39 r180 top
R131 "100" RESC1005X40N 4960.63,2370.9 r90 top
R133 "33" RESC1005X40N 3795.24,3753.34 r180 top
R134 "33" RESC1005X40N 3794.06,3717.91 r180 top
R135 "0" RESC1608X55N 511.81,228.35 r90 top
R136 "33" RESC1005X40N 3796.42,3633.86 r180 top
R137 "33" RESC1005X40N 3795.24,3593.89 r180 top
R141 "10k" RESC1005X40N 4769.18,2437.49 r180 top
R143 "1k" RESC1005X40N 577.35,1191.18 r180 top
R144 "1k" RESC1005X40N 577.35,1312.47 r180 top
R145 "1k" RESC1005X40N 577.35,1231.61 r180 top
R146 "1k" RESC1005X40N 577.35,1272.04 r180 top
R147 "1k" RESC1005X40N 577.35,1352.9 r180 top
R148 "1k" RESC1005X40N 577.35,1393.33 r180 top
R149 "1k" RESC1005X40N 577.35,1433.76 r180 top
R150 "1k" RESC1005X40N 577.35,1474.19 r180 top
R154 "10k" RESC1005X40N 4747.16,2356.23 r90 top
R155 "0" RESC1608X55N -1375,2341 r0 bottom
R156 "0" RESC1608X55N -1946,2049 r0 bottom
R157 "5k" RESC2013X64N -1509,2342 r0 bottom
R158 "5k" RESC2013X64N -1612,2060 r180 bottom
R159 "5k" RESC2013X64N -1658.37,2341 r0 bottom
R160 "5k" RESC2013X64N -1807,2052 r180 bottom
R161 "0" RESC1608X55N -1363,2789 r0 bottom
R162 "0" RESC1608X55N -1934,2501 r0 bottom
R163 "5k" RESC2013X64N -1492.63,2786 r0 bottom
R164 "5k" RESC2013X64N -1628.37,2497 r180 bottom
R165 "5k" RESC2013X64N -1635,2785 r0 bottom
R166 "0" RESC1608X55N -1403.5,3356 r0 bottom
R167 "5k" RESC2013X64N -1800.63,2497 r180 bottom
R168 "5k" RESC2013X64N -1532,3357 r0 bottom
R169 "5k" RESC2013X64N -1632,2972 r180 bottom
R170 "0" RESC1608X55N -1932,2971 r0 bottom
R171 "5k" RESC2013X64N -1672,3357 r0 bottom
R172 "5k" RESC2013X64N -1795.63,2971 r180 bottom
R173 "100" RESC1005X40N 5932.4,1978.35 r90 top
R174 "100" RESC1005X40N 5934.69,1310 r90 top
R175 "100" RESC1005X40N 5934.69,1196.79 r270 top
R176 "5k" RESC2013X64N -1509.37,3785 r0 bottom
R177 "5k" RESC2013X64N -1641,3464 r180 bottom
R178 "5k" RESC2013X64N -1649,3784 r0 bottom
R179 "5k" RESC2013X64N -1794,3468 r180 bottom
R180 "0" RESC1608X55N -1380,3788 r0 bottom
R181 "0" RESC1608X55N -1933,3464 r0 bottom
R194 "1k3" RESC1608X55N 5384.63,790.21 r0 top
R195 "82k" RESC1608X55N 5283.07,864.03 r90 top
R196 "33k" RESC1005X40N 5433.85,886.86 r90 top
R197 "82k" RESC1608X55N 5179.13,897.01 r180 top
R218 "33" RESC1005X40N -594.33,1289.37 r0 top
R220 "0" RESC1608X55N 383.56,3782.42 r180 bottom
R223 "0" RESC1608X55N 397.9,255.4 r180 bottom
R348_1 "442" RESC1608X55N 1334.42,386.52 r180 top (schematic designator R348)
R348_2 "442" RESC1608X55N 1334.42,780.22 r180 top (schematic designator R348)
R348_3 "442" RESC1608X55N 1334.42,1567.62 r180 top (schematic designator R348)
R348_4 "442" RESC1608X55N 1334.42,1173.92 r180 top (schematic designator R348)
R348_5 "442" RESC1608X55N 1334.42,1961.32 r180 top (schematic designator R348)
R348_6 "442" RESC1608X55N 1334.42,2355.02 r180 top (schematic designator R348)
R348_7 "442" RESC1608X55N 1334.42,2748.72 r180 top (schematic designator R348)
R348_8 "442" RESC1608X55N 1334.42,3142.42 r180 top (schematic designator R348)
R348_9 "442" RESC1608X55N 2515.53,386.52 r180 top (schematic designator R348)
R348_10 "442" RESC1608X55N 2515.53,780.22 r180 top (schematic designator R348)
R348_11 "442" RESC1608X55N 2515.53,1173.92 r180 top (schematic designator R348)
R348_12 "442" RESC1608X55N 2515.53,1567.62 r180 top (schematic designator R348)
R348_13 "442" RESC1608X55N 2515.53,1961.32 r180 top (schematic designator R348)
R348_14 "442" RESC1608X55N 2515.53,2355.02 r180 top (schematic designator R348)
R348_15 "442" RESC1608X55N 2515.53,2748.72 r180 top (schematic designator R348)
R348_16 "442" RESC1608X55N 2515.53,3142.42 r180 top (schematic designator R348)
R349_1 "22k" RESC1005X40N 1228.44,398.44 r180 top (schematic designator R349)
R349_2 "22k" RESC1005X40N 1228.44,792.15 r180 top (schematic designator R349)
R349_3 "22k" RESC1005X40N 1228.44,1579.55 r180 top (schematic designator R349)
R349_4 "22k" RESC1005X40N 1228.44,1185.85 r180 top (schematic designator R349)
R349_5 "22k" RESC1005X40N 1228.44,1973.25 r180 top (schematic designator R349)
R349_6 "22k" RESC1005X40N 1228.44,2366.95 r180 top (schematic designator R349)
R349_7 "22k" RESC1005X40N 1228.44,2760.65 r180 top (schematic designator R349)
R349_8 "22k" RESC1005X40N 1228.44,3154.35 r180 top (schematic designator R349)
R349_9 "22k" RESC1005X40N 2409.54,398.44 r180 top (schematic designator R349)
R349_10 "22k" RESC1005X40N 2409.54,792.15 r180 top (schematic designator R349)
R349_11 "22k" RESC1005X40N 2409.54,1185.85 r180 top (schematic designator R349)
R349_12 "22k" RESC1005X40N 2409.54,1579.55 r180 top (schematic designator R349)
R349_13 "22k" RESC1005X40N 2409.54,1973.25 r180 top (schematic designator R349)
R349_14 "22k" RESC1005X40N 2409.54,2366.95 r180 top (schematic designator R349)
R349_15 "22k" RESC1005X40N 2409.54,2760.65 r180 top (schematic designator R349)
R349_16 "22k" RESC1005X40N 2409.54,3154.35 r180 top (schematic designator R349)
R350_1 "3k9" RESC1608X55N 1647.64,448.82 r270 top (schematic designator R350)
R350_2 "3k9" RESC1608X55N 1647.64,842.52 r270 top (schematic designator R350)
R350_3 "3k9" RESC1608X55N 1647.64,1629.92 r270 top (schematic designator R350)
R350_4 "3k9" RESC1608X55N 1647.64,1236.22 r270 top (schematic designator R350)
R350_5 "3k9" RESC1608X55N 1647.64,2023.62 r270 top (schematic designator R350)
R350_6 "3k9" RESC1608X55N 1647.64,2417.32 r270 top (schematic designator R350)
R350_7 "3k9" RESC1608X55N 1647.64,2811.02 r270 top (schematic designator R350)
R350_8 "3k9" RESC1608X55N 1647.64,3204.72 r270 top (schematic designator R350)
R350_9 "3k9" RESC1608X55N 2828.74,448.82 r270 top (schematic designator R350)
R350_10 "3k9" RESC1608X55N 2828.74,842.52 r270 top (schematic designator R350)
R350_11 "3k9" RESC1608X55N 2828.74,1236.22 r270 top (schematic designator R350)
R350_12 "3k9" RESC1608X55N 2828.74,1629.92 r270 top (schematic designator R350)
R350_13 "3k9" RESC1608X55N 2828.74,2023.62 r270 top (schematic designator R350)
R350_14 "3k9" RESC1608X55N 2828.74,2417.32 r270 top (schematic designator R350)
R350_15 "3k9" RESC1608X55N 2828.74,2811.02 r270 top (schematic designator R350)
R350_16 "3k9" RESC1608X55N 2828.74,3204.72 r270 top (schematic designator R350)
R351_1 "10M" RESC1608X55N 1585.69,447.78 r270 top (schematic designator R351)
R351_2 "10M" RESC1608X55N 1585.69,841.48 r270 top (schematic designator R351)
R351_3 "10M" RESC1608X55N 1585.69,1628.88 r270 top (schematic designator R351)
R351_4 "10M" RESC1608X55N 1585.69,1235.18 r270 top (schematic designator R351)
R351_5 "10M" RESC1608X55N 1585.69,2022.58 r270 top (schematic designator R351)
R351_6 "10M" RESC1608X55N 1585.69,2416.28 r270 top (schematic designator R351)
R351_7 "10M" RESC1608X55N 1585.69,2809.98 r270 top (schematic designator R351)
R351_8 "10M" RESC1608X55N 1585.69,3203.68 r270 top (schematic designator R351)
R351_9 "10M" RESC1608X55N 2766.79,447.78 r270 top (schematic designator R351)
R351_10 "10M" RESC1608X55N 2766.79,841.48 r270 top (schematic designator R351)
R351_11 "10M" RESC1608X55N 2766.79,1235.18 r270 top (schematic designator R351)
R351_12 "10M" RESC1608X55N 2766.79,1628.88 r270 top (schematic designator R351)
R351_13 "10M" RESC1608X55N 2766.79,2022.58 r270 top (schematic designator R351)
R351_14 "10M" RESC1608X55N 2766.79,2416.28 r270 top (schematic designator R351)
R351_15 "10M" RESC1608X55N 2766.79,2809.98 r270 top (schematic designator R351)
R351_16 "10M" RESC1608X55N 2766.79,3203.68 r270 top (schematic designator R351)
ST1 "SCHROFF_PANEL_3U_4HP-Thermostat" "SCHROFF_PANEL_3HP_4U - Thermostat" 199.06,217 r0 top
SW1_1 "Switch" SW_OMRON_A6SN-1101 1324.71,480.31 r180 top (schematic designator SW1)
SW1_2 "Switch" SW_OMRON_A6SN-1101 1324.71,874.02 r180 top (schematic designator SW1)
SW1_3 "Switch" SW_OMRON_A6SN-1101 1324.71,1661.42 r180 top (schematic designator SW1)
SW1_4 "Switch" SW_OMRON_A6SN-1101 1324.71,1267.72 r180 top (schematic designator SW1)
SW1_5 "Switch" SW_OMRON_A6SN-1101 1324.71,2055.12 r180 top (schematic designator SW1)
SW1_6 "Switch" SW_OMRON_A6SN-1101 1324.71,2448.82 r180 top (schematic designator SW1)
SW1_7 "Switch" SW_OMRON_A6SN-1101 1324.71,2842.52 r180 top (schematic designator SW1)
SW1_8 "Switch" SW_OMRON_A6SN-1101 1324.71,3236.22 r180 top (schematic designator SW1)
SW1_9 "Switch" SW_OMRON_A6SN-1101 2505.82,480.31 r180 top (schematic designator SW1)